# Altium PCB VAMoS Rev C.PcbDoc (part 2 of 2) (continued)
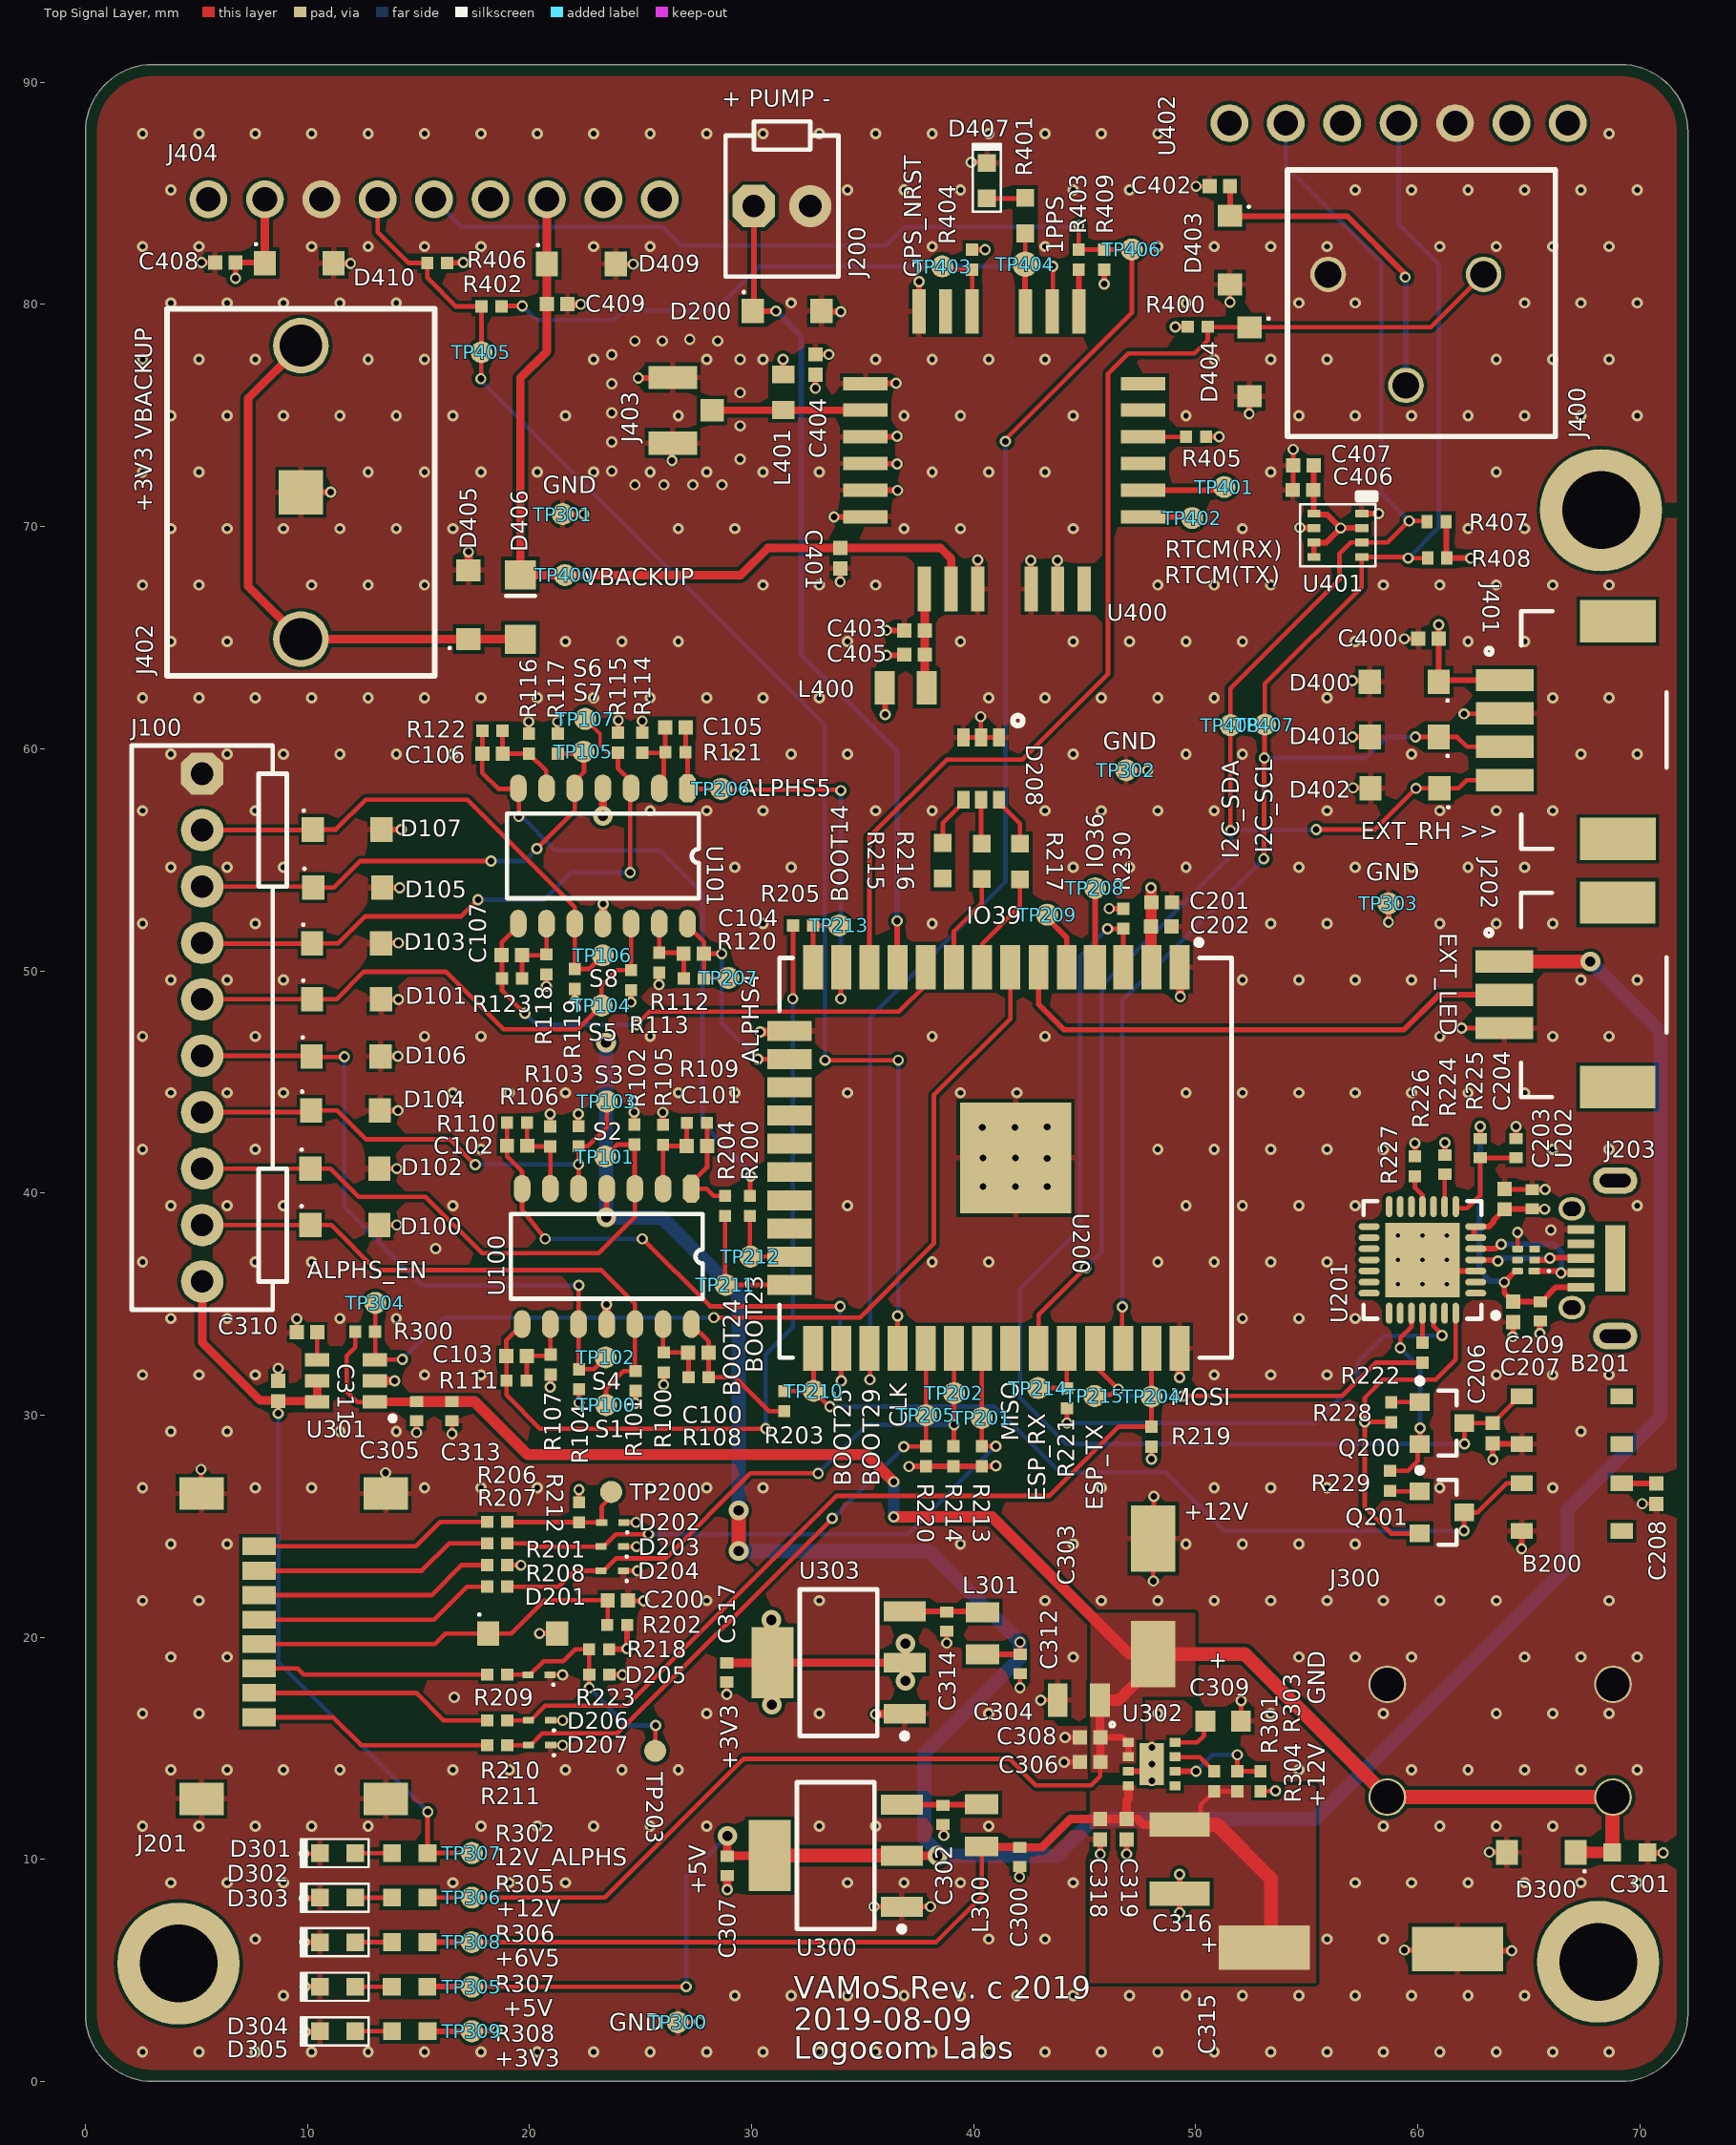
[diagram p0: Top Signal Layer view]
## Nets (pads, with @x,y where several pads share a name; then routed paths per layer and width w, separated by ;. In a path a pad name is that pad's centre, name@x,y a point inside that pad or via, vN(x,y) a via of type N, cw(c..) or ccw(c..) an arc to the next point about the centre after c; other vN are vias at no path point) (continued)
  other v2: 16.613,17.297 22.225,30.556 15.775,37.49 65.991,38.331 24.742,71.882 26.051,71.882 27.359,71.882 28.667,71.882 23.701,72.495 29.476,73.032 23.701,73.807 29.476,74.532 23.701,75.12 29.476,76.032 23.701,76.432 29.476,77.532 23.701,77.745 24.742,78.357 25.984,78.357 28.467,78.357 27.214,78.424
  other v4: 59.105,35.888 60.205,35.888 61.305,35.888 59.105,36.988 61.305,36.988 59.105,38.088 60.205,38.088 61.305,38.088
  other v5: 43.307,41.554 40.411,41.58 41.885,41.58 40.386,42.951 41.859,42.951 43.307,42.977
  other v6: 40.411,40.284 41.885,40.284 43.307,40.284
GPS_1PPS: R401.2 TP404.1 U400.21 | length 2.7
  Top Signal Layer w0.203: TP404.1@42.316,81.813 42.316,82.791
  Top Signal Layer w0.254: TP404.1@42.316,81.417 42.316,79.705 U400.21@42.331,79.69
GPS_NRST: R404.1 TP403.1 U400.22 | length 3.3
  Top Signal Layer w0.203: TP403.1@38.583,81.712 38.728,81.567 R404.1@39.929,81.567 39.931,81.565 U400.22@39.931,79.69
GPS_RX: J404.6 R402.1 R406.1 TP405.1 U200.28 | length 64.6
  Top Signal Layer w0.203: J404.6@13.161,84.732 13.161,83.258 14.554,81.864 R406.1@15.392,81.864 15.392,81.204 16.688,79.908 R402.1@17.831,79.908 TP405.1@17.831,77.978 ; v2(17.805,76.657) 17.818,76.67 17.818,77.838 TP405.1@17.831,77.851 ; v2(33.299,45.974) v2(36.601,45.974) ; U200.28@36.57,33.005 36.551,33.024 36.576,33.049 v2(36.576,34.468)
  Bottom Signal Layer w0.203: v2@17.805,76.784 v2(17.805,76.657) 17.805,76.581 31.496,62.89 33.299,61.087 v2(33.299,45.974) ; v2(36.576,34.468) 36.601,34.493 v2(36.601,45.974)
GPS_TX: J404.5 R403.1 R409.1 TP406.1 U200.27 | length 90.9
  Top Signal Layer w0.203: U200.27@35.3,33.005 35.331,32.973 v2(35.331,31.598) ; v2(41.427,73.838) 41.427,73.934 47.117,79.624 TP406.1@47.117,82.474 47.11,82.467 R409.1@45.872,82.467 R403.1@44.729,82.467 v2(44.729,83.541)
  Bottom Signal Layer w0.203: J404.5@15.701,84.732 16.943,83.49 25.984,83.49 26.822,82.652 36.043,82.652 36.881,83.49 44.679,83.49 v2(44.729,83.541) ; v2(35.331,31.598) 35.331,47.904 41.427,54 v2(41.427,73.838)
I2C_SCL: D401.1 J401.3 R408.1 TP407.1 U200.36 U401.4 U402.4 | length 75.4
  Top Signal Layer w0.203: v2(46.685,34.874) 46.685,33.151 46.634,33.1 U200.36@46.73,33.005 ; v2(53.061,55.042) 53.073,55.054 53.073,59.576 v2(53.086,59.588) 53.099,59.601 53.099,61.074 TP407.1@53.111,61.087 53.111,62.916 57.469,67.273 U401.4@57.469,68.634 59.509,68.634 v2(59.563,68.58) R408.1@60.441,68.581 ; v2(59.893,60.528) D401.1@60.943,60.528 61.773,60.528 62.213,60.088 J401.3@63.905,60.088
  Bottom Signal Layer w0.203: v2(46.685,34.874) 46.685,48.666 v2(53.061,55.042) ; v2(53.086,59.588) 57.658,59.588 58.598,60.528 v2(59.893,60.528) ; U402.4@59.131,88.163 59.131,83.642 60.937,81.836 60.937,69.954 v2(59.563,68.58)
I2C_SDA: D402.1 J401.4 R407.1 TP408.1 U200.33 U401.3 U402.6 | length 79.5
  Top Signal Layer w0.203: U200.33@42.92,33.005 42.92,34.512 v2(45.034,36.627) ; v2(51.562,56.312) TP408.1@51.562,61.062 51.562,62.713 56.472,67.623 56.472,68.791 56.965,69.284 U401.3@57.469,69.284 58.63,69.284 v2(59.601,70.255) R407.1@60.39,70.255 ; v2(55.423,56.363) 58.064,56.363 v2(59.919,58.217) D402.1@60.969,58.217 61.824,58.217 62.195,58.588 J401.4@63.905,58.588
  Bottom Signal Layer w0.203: v2(45.034,36.627) 45.771,37.363 45.771,49.352 51.587,55.169 v2@51.587,56.337 ; v2(51.562,56.312) v2@51.587,56.337 ; v2@51.562,56.337 v2@51.587,56.337 ; U402.6@54.051,88.163 54.051,86.208 58.344,81.915 58.344,71.512 v2(59.601,70.255) ; v2(55.423,56.363) 55.397,56.337 v2@51.587,56.337
LED_EXT: J202.2 U200.6 | length 23.8
  Top Signal Layer w0.254: U200.6@42.92,50.155 42.92,48.495 44.069,47.346 59.367,47.346 60.942,48.92 J202.2@63.896,48.92
LED_G: R217.1 U200.8 | length 4.7
  Top Signal Layer w0.203: U200.8@40.38,50.155 40.38,51.225 42.088,52.934 R217.1@42.088,54.12
LED_R: R216.1 U200.9 | length 4.5
  Top Signal Layer w0.203: U200.9@39.11,50.155 39.11,51.784 40.361,53.035 R216.1@40.361,54.132
NetB200_2: B200.2 C208.1 | length 1.6
  Top Signal Layer w0.254: B200.2@69.179,26.932 69.182,26.93 70.736,26.93 C208.1@70.739,26.927
NetC100_1: C100.1 R100.2 R108.1 U100.13 | length 3.5
  Top Signal Layer w0.203: U100.13@26.014,34.095 26.014,32.844 R100.2@26.039,32.819 R100.2@26.134,32.819 ; R100.2@26.129,32.824 R100.2@26.134,32.819 ; R100.2@26.155,32.798 R100.2@26.134,32.819 ; R108.1@27.164,31.708 27.164,32.778 C100.1@27.136,32.807 27.124,32.819 R100.2@26.134,32.819
NetC101_1: C101.1 R105.2 R109.1 U100.2 | length 4
  Top Signal Layer w0.203: R105.2@26.01,42.171 26.014,42.167 U100.2@26.014,40.191 ; R105.2@26.068,42.113 C101.1@27.074,42.113 27.074,43.145 R109.1@27.084,43.155
NetC102_1: C102.1 R106.2 R110.1 U100.6 | length 4.2
  Top Signal Layer w0.203: R110.1@19.885,43.164 19.885,42.141 C102.1@19.902,42.124 19.934,42.092 21.106,42.092 20.934,41.92 U100.6@20.934,40.191
NetC103_1: C103.1 R107.2 R111.1 U100.9 | length 3.6
  Top Signal Layer w0.203: R111.1@19.863,31.557 19.873,31.567 C103.1@19.873,32.669 R107.2@20.871,32.669 ; R107.2@20.946,32.724 20.934,32.736 U100.9@20.934,34.095 U100.9@21.037,33.991
NetC104_1: C104.1 R112.2 R120.1 U101.13 | length 3.5
  Top Signal Layer w0.203: U101.13@25.842,52.123 R112.2@25.842,50.82 26.89,50.82 C104.1@26.934,50.777 26.944,50.767 R120.1@26.944,49.661
NetC105_1: C105.1 R114.2 R121.1 U101.2 | length 3.6
  Top Signal Layer w0.203: R114.2@25.08,59.813 26.036,59.813 26.108,59.886 C105.1@26.108,60.96 ; U101.2@26.045,58.143 R121.1@26.045,59.636
NetC106_1: C106.1 R116.2 R122.1 U101.6 | length 4.1
  Top Signal Layer w0.203: R122.1@18.781,60.81 18.781,59.79 C106.1@18.791,59.78 18.795,59.775 R116.2@19.974,59.775 20.744,59.006 20.744,58.237 U101.6@20.762,58.219
NetC107_1: C107.1 R118.2 R123.1 U101.9 | length 3.5
  Top Signal Layer w0.203: R123.1@19.662,49.659 19.662,50.703 C107.1@19.664,50.705 20.722,50.705 R118.2@20.762,50.744 U101.9@20.762,52.123
NetC200_1: C200.1 D201.1 J201.4 R202.2 | length 17.6
  Top Signal Layer w0.203: J201.4@7.823,19.693 15.73,19.693 16.205,20.168 D201.1@18.135,20.168 19.185,20.168 20.684,21.666 C200.1@23.518,21.666 23.518,20.571 R202.2@23.495,20.549
NetC302_2: C302.2 L300.2 U300.3 | length 3.5
  Top Signal Layer w0.203: L300.2@40.325,12.446 L300.2@40.361,12.482 L300.2@40.392,12.513
  Top Signal Layer w0.254: U300.3@36.761,12.469 C302.2@38.612,12.469 ; C302.2@38.612,12.455 L300.2@40.202,12.455
NetC309_2: C309.2 U302.8 | length 2.1
  Top Signal Layer w0.203: U302.8@49.065,15.265 50.063,15.265 50.368,15.57 50.368,16.167 C309.2@50.432,16.231 C309.2@50.432,16.256
NetC310_1: C310.1 U301.4 | length 1.2
  Top Signal Layer w0.203: U301.4@10.435,32.497 10.435,33.727 C310.1@10.439,33.731
NetC314_2: C314.2 L301.2 U303.3 | length 3.5
  Top Signal Layer w0.203: L301.2@40.361,21.156 L301.2@40.39,21.127 L301.2@40.392,21.129
  Top Signal Layer w0.254: U303.3@36.888,21.156 L301.2@40.361,21.156
NetC403_2: C403.2 C405.2 L400.2 U400.7 | length 4.5
  Top Signal Layer w0.381: U400.7@37.781,67.234 37.789,67.226 37.789,65.337 C403.2@37.798,65.329 C405.2@37.798,64.237 37.79,64.228 37.79,62.746 L400.2@37.782,62.738
NetD202_2: D202.2 R206.1 R212.1 TP200.1 | length 5.8
  Top Signal Layer w0.203: R206.1@18.992,25.197 19.005,25.184 22.212,25.184 R212.1@22.225,25.171 D202.2@23.249,25.171 23.249,25.906 23.673,26.33 TP200.1@23.673,26.543
NetD205_2: D205.2 R209.1 R218.1 R223.1 TP203.1 | length 10.8
  Top Signal Layer w0.203: R209.1@18.992,18.313 D205.2@19.922,18.313 20.022,18.313 20.631,18.923 21.514,18.923 22.047,19.456 R218.1@22.682,19.456 22.682,18.339 R223.1@22.657,18.313 ; v2(22.682,17.729) 22.682,18.306 R223.1@22.689,18.313 ; TP203.1@25.654,14.884 25.667,14.897 25.667,16.015 v2(25.679,16.027)
  Bottom Signal Layer w0.203: v2(22.682,17.729) 24.384,16.027 v2(25.679,16.027)
NetD208_4: D208.4 R215.2 | length 2.3
  Top Signal Layer w0.203: R215.2@38.608,55.758 38.608,56.654 D208.4@39.535,57.581
  Top Signal Layer w0.254: D208.4@39.535,57.581 D208.4@39.535,57.706
NetD208_5: D208.5 R216.2 | length 2
  Top Signal Layer w0.203: R216.2@40.335,55.758 D208.5@40.335,57.706
  Top Signal Layer w0.254: R216.2@40.335,55.758 R216.2@40.361,55.732
NetD208_6: D208.6 R217.2 | length 2.4
  Top Signal Layer w0.203: D208.6@41.135,57.581 42.088,56.628 R217.2@42.088,55.72
  Top Signal Layer w0.254: D208.6@41.135,57.581 D208.6@41.135,57.706
NetD301_1: D301.1 R302.1 | length 1.7
  Top Signal Layer w0.203: D301.1@12.154,10.281 R302.1@13.805,10.281
NetD302_1: D302.1 R305.1 | length 1.7
  Top Signal Layer w0.203: D302.1@12.154,8.276 13.8,8.276 R305.1@13.805,8.28
NetD303_1: D303.1 R306.1 | length 1.7
  Top Signal Layer w0.203: D303.1@12.154,6.271 13.802,6.271 R306.1@13.805,6.274 ; D303.1@12.154,6.477 D303.1@12.179,6.452
NetD304_1: D304.1 R307.1 | length 1.6
  Top Signal Layer w0.203: D304.1@12.154,4.266 R307.1@13.792,4.267 R307.1@13.792,4.267
NetD305_1: D305.1 R308.1 | length 1.7
  Top Signal Layer w0.203: D305.1@12.154,2.261 R308.1@13.805,2.261 ; R308.1@13.908,2.261 R308.1@13.932,2.261
NetD405_1: D405.1 D406.1 J402.1 | length 25.6
  Top Signal Layer w0.203: J402.1@9.165,78.147 J402.1@9.701,78.147
  Top Signal Layer w0.381: J402.1@9.701,78.147 7.319,75.766 7.319,67.319 J402.1@9.701,64.937 9.704,64.934 17.247,64.934 D405.1@17.251,64.931 19.586,64.931 D406.1@19.587,64.929
NetD407_1: D407.1 R401.1 | length 1.3
  Top Signal Layer w0.203: D407.1@40.596,84.765 R401.1@41.935,84.765
  Top Signal Layer w0.254: D407.1@40.589,84.773 D407.1@40.596,84.765
NetJ201_1: J201.1 R211.2 | length 10.6
  Top Signal Layer w0.203: J201.1@7.823,16.393 11.166,16.393 12.421,15.138 R211.2@17.921,15.138
NetJ201_2: J201.2 R210.2 | length 10.6
  Top Signal Layer w0.203: J201.2@7.823,17.493 14.892,17.493 16.129,16.256 R210.2@17.921,16.256
NetJ201_3: J201.3 R209.2 | length 10.2
  Top Signal Layer w0.203: J201.3@7.823,18.593 9.55,18.593 9.83,18.313 R209.2@17.932,18.313
NetJ201_5: J201.5 R208.2 | length 10.9
  Top Signal Layer w0.203: J201.5@7.823,20.793 15.687,20.793 17.17,22.276 R208.2@18.092,22.276
NetJ201_6: J201.6 R201.1 | length 10.8
  Top Signal Layer w0.203: J201.6@7.823,21.893 15.594,21.893 16.95,23.249 R201.1@18.092,23.249
NetJ201_7: J201.7 R207.2 | length 10.8
  Top Signal Layer w0.203: J201.7@7.823,22.993 15.144,22.993 16.375,24.223 R207.2@18.092,24.223
NetJ201_8: J201.8 R206.2 | length 10.7
  Top Signal Layer w0.203: J201.8@7.823,24.093 14.873,24.093 15.977,25.197 R206.2@18.092,25.197
NetJ403_SIG: J403.SIG L401.1 U400.2 | length 6.7
  Top Signal Layer w0.203: L401.1@31.026,75.241 L401.1@31.051,75.265
  Top Signal Layer w0.335: J403.SIG@28.227,75.241 L401.1@31.026,75.241 ; L401.1@31.42,75.24 U400.2@35.131,75.24
  Top Signal Layer w0.471: J403.SIG@28.22,75.235 J403.SIG@28.227,75.241 ; J403.SIG@28.232,75.168 J403.SIG@28.304,75.24 ; L401.1@31.413,75.241 L401.1@31.42,75.248
NetQ200_1: Q200.1 R228.1 | length 1.3
  Top Signal Layer w0.203: R228.1@58.801,30.574 58.818,30.592 Q200.1@60.087,30.592
NetQ201_1: Q201.1 R229.1 | length 1.3
  Top Signal Layer w0.203: R229.1@58.75,26.594 58.773,26.571 Q201.1@60.087,26.571
NetR224_2: R224.2 R225.2 U201.8 | length 4.6
  Top Signal Layer w0.203: U201.8@61.705,39.313 62.218,39.313 62.81,39.905 R224.2@62.81,41.582 R225.2@64.414,41.582
NetR226_2: R226.2 U201.9 | length 1.5
  Top Signal Layer w0.203: U201.9@61.205,39.313 61.207,39.315 61.207,40.843 R226.2@61.21,40.845
NetR227_1: R227.1 U201.11 | length 1.6
  Top Signal Layer w0.203: R227.1@59.868,40.749 59.868,40.241 60.205,39.903 U201.11@60.205,39.313
NetR301_1: R301.1 U302.7 | length 2
  Top Signal Layer w0.203: U302.7@49.065,14.615 U302.7@49.069,14.611 ; U302.7@49.075,14.605 50.183,14.605 R301.1@50.825,13.963
  Top Signal Layer w0.254: U302.7@49.069,14.611 U302.7@49.075,14.605
NetR303_1: R303.1 R304.2 U302.6 | length 4.9
  Top Signal Layer w0.203: v2(51.867,14.707) R303.1@51.867,13.963 51.87,13.966 52.905,13.966 R304.2@52.908,13.97
  Top Signal Layer w0.254: U302.6@49.051,13.97 v2(50.013,13.97)
  Bottom Signal Layer w0.203: v2(50.013,13.97) 50.749,14.707 v2(51.867,14.707)
NetR402_2: R402.2 U400.20 | length 28.1
  Top Signal Layer w0.203: R402.2@18.731,79.908 18.756,79.934 v2(19.671,79.934) ; U400.20@43.531,79.69 43.561,79.721 v2(43.561,81.712)
  Bottom Signal Layer w0.203: v2(19.671,79.934) 20.31,79.294 23.805,79.294 24.241,79.731 28.346,79.731 30.328,81.712 v2(43.561,81.712)
NetR403_2: R403.2 U400.19 | length 1.9
  Top Signal Layer w0.254: R403.2@44.729,81.567 44.729,79.692 U400.19@44.731,79.69
NetR405_2: R405.2 U400.16 | length 1.9
  Top Signal Layer w0.203: U400.16@47.631,74.04 R405.2@49.563,74.041
NetTP208_1: TP208.1 U200.4 | length 3.6
  Top Signal Layer w0.254: TP208.1@45.237,53.619 45.46,53.397 U200.4@45.46,50.155
NetTP209_1: TP209.1 U200.5 | length 2.5
  Top Signal Layer w0.254: TP209.1@43.358,52.324 44.19,51.492 U200.5@44.19,50.155
PWM_PUMP: D200.1 J200.1 U200.11 | length 37.6
  Top Signal Layer w0.254: J200.1@30.099,84.43 30.099,79.756 D200.1@30.048,79.705 v2(31.098,79.705) ; v2(36.551,52.248) 36.551,50.174 U200.11@36.57,50.155
  Bottom Signal Layer w0.254: v2(31.098,79.705) 32.233,78.571 32.233,64.211 36.551,59.893 v2(36.551,52.248)
RESET: B201.1 C206.1 Q200.3 R230.2 U200.3 | length 50.2
  Top Signal Layer w0.203: v2(46.025,51.892) 46.558,51.892 46.584,51.867 46.685,51.968 46.736,51.918 R230.2@46.736,51.899 46.736,50.161 U200.3@46.73,50.155 ; v2(62.103,28.702) 62.103,29.626 62.128,29.642 C206.1@63.373,29.642 64.255,30.524 64.255,30.57 64.529,30.844 B201.1@64.679,30.844
  Bottom Signal Layer w0.203: v2(46.025,51.892) 44.78,50.648 44.78,38.379 42.088,35.687 42.088,30.785 44.171,28.702 v2(62.103,28.702)
RI: U201.2
RTCM(RX): TP401.1 U400.14 | length 3.8
  Top Signal Layer w0.254: U400.14@47.639,71.632 U400.14@47.631,71.64 47.637,71.647 TP401.1@51.073,71.647 ; TP401.1@51.283,71.78 51.289,71.787 TP401.1@51.619,71.787
RTCM(TX): TP402.1 U400.13 | length 1.9
  Top Signal Layer w0.254: U400.13@47.631,70.44 47.635,70.436 49.551,70.436 TP402.1@49.555,70.432
RTS: Q200.2 R229.2 U201.24 | length 8.8
  Top Signal Layer w0.203: R229.2@58.75,27.494 59.549,27.494 59.995,27.94 59.995,28.6 Q200.2@60.087,28.692 60.096,28.701 v2(60.096,29.413) ; v2(59.207,33.02) 59.207,33.477 59.715,33.985 59.715,34.653 U201.24@59.705,34.663
  Bottom Signal Layer w0.203: v2(59.207,33.02) 60.096,32.131 v2(60.096,29.413)
SD_CS/BOOT29: D207.2 R211.1 R220.1 TP205.1 U200.29 | length 28.8
  Top Signal Layer w0.203: R211.1@18.992,15.138 D207.2@19.947,15.138 20.047,15.138 20.58,15.672 23.952,15.672 v2(33.63,25.349) ; v2(36.855,28.575) 36.874,28.593 R220.1@37.846,28.593 TP205.1@37.846,29.997 37.846,32.998 U200.29@37.84,33.005
  Bottom Signal Layer w0.203: v2(33.63,25.349) v2(36.855,28.575)
SD_MISO: D203.2 R207.1 R213.1 TP201.1 U200.31 | length 29
  Top Signal Layer w0.203: R207.1@18.992,24.223 19,24.232 19.863,24.232 20.015,24.079 D203.2@23.224,24.079 23.324,24.079 23.882,24.638 v2(25.349,24.638) ; U200.31@40.38,33.005 40.361,32.986 TP201.1@40.361,29.87 R213.1@40.361,28.593 40.364,28.597 40.992,28.597 v2(40.996,28.6)
  Bottom Signal Layer w0.203: v2(25.349,24.638) 37.033,24.638 v2(40.996,28.6)
SD_MOSI: D206.2 R210.1 R219.1 TP204.1 U200.37 | length 38
  Top Signal Layer w0.203: R210.1@18.992,16.256 D206.2@19.947,16.256 20.047,16.256 20.707,16.916 24.384,16.916 33.833,26.365 43.409,26.365 46.526,29.482 R219.1@48.006,29.482 TP204.1@48.006,30.836 48.006,32.998 U200.37@48,33.005
SD_SCLK: D204.2 R208.1 R214.1 TP202.1 U200.30 | length 27.6
  Top Signal Layer w0.203: R208.1@18.992,22.276 21.311,22.276 22.022,22.987 D204.2@23.224,22.987 23.324,22.987 23.882,23.546 26.111,23.546 29.947,27.381 v2(32.995,27.381) ; R214.1@39.091,28.593 39.103,28.606 39.103,29.566 39.103,30.975 TP202.1@39.116,30.988 39.116,32.998 U200.30@39.11,33.005
  Bottom Signal Layer w0.203: v2(32.995,27.381) 35.179,29.566 v2(39.116,29.566)
SENSOR_IN_1: D100.1 J100.9 R101.2 TP100.1 U100.12 | length 27
  Top Signal Layer w0.203: J100.9@5.18,38.53 J100.9@5.805,38.53 ; J100.9@5.258,38.557 D100.1@10.134,38.557 11.074,38.557 13.106,36.525 23.241,36.525 24.744,35.023 U100.12@24.744,34.095 24.744,32.013 R101.2@24.769,31.988 24.236,31.988 23.444,31.196 TP100.1@23.444,30.455
SENSOR_IN_2: D102.1 J100.8 R102.2 TP101.1 U100.3 | length 26.6
  Top Signal Layer w0.203: J100.8@5.258,41.097 D102.1@10.134,41.097 11.024,41.097 12.294,39.827 15.316,39.827 17.856,37.287 23.114,37.287 24.744,38.917 U100.3@24.744,40.191 24.731,40.204 R102.2@24.731,42.179 ; TP101.1@23.397,41.64 23.937,42.179 R102.2@24.719,42.179
SENSOR_IN_3: D104.1 J100.7 R103.2 TP103.1 U100.5 | length 22.7
  Top Signal Layer w0.203: J100.7@5.258,43.637 10.083,43.637 D104.1@10.159,43.713 11.328,43.713 12.624,42.418 16.408,42.418 v2(17.551,41.275) ; U100.5@22.204,40.191 v2(22.205,41.288) ; v2(22.205,41.288) 22.205,42.103 R103.2@22.204,42.104 22.622,42.104 23.47,42.951 TP103.1@23.47,44.12
  Bottom Signal Layer w0.203: v2@17.551,41.288 v2(22.205,41.288)
SENSOR_IN_4: D106.1 J100.6 R104.2 TP102.1 U100.10 | length 30.5
  Top Signal Layer w0.203: J100.6@5.258,46.177 10.159,46.177 D106.1@10.185,46.152 10.21,46.126 v2(11.659,46.126) ; v2(22.217,35.838) 22.201,35.838 22.13,35.767 22.204,35.693 U100.10@22.204,34.095 22.204,32.089 R104.2@22.229,32.064 22.889,32.064 TP102.1@23.423,32.597
  Bottom Signal Layer w0.203: v2(11.659,46.126) 11.659,39.345 15.165,35.838 v2(22.217,35.838)
SENSOR_IN_5: D101.1 J100.5 R113.2 TP104.1 U101.12 | length 24.6
  Top Signal Layer w0.203: J100.5@5.248,48.727 J100.5@5.258,48.717 D101.1@10.21,48.717 11.303,48.717 12.548,49.962 16.236,49.962 18.827,47.371 22.174,47.371 TP104.1@23.241,48.438 23.241,49.352 23.922,50.033 R113.2@24.572,50.033 U101.12@24.572,52.123
SENSOR_IN_6: D103.1 J100.4 R115.2 TP107.1 U101.3 | length 28.4
  Top Signal Layer w0.152: TP107.1@22.504,61.341 23.165,60.681 23.165,60.147 23.488,59.824 R115.2@23.978,59.824
  Top Signal Layer w0.203: J100.4@5.253,51.252 J100.4@5.258,51.257 5.285,51.23 D103.1@10.058,51.23 ; D103.1@10.21,51.232 11.379,51.232 12.598,52.451 16.925,52.451 v2(17.675,53.201) ; R115.2@23.978,59.645 23.978,59.131 24.572,58.537 U101.3@24.572,58.219 24.529,58.176 v2(24.529,54.43)
  Bottom Signal Layer w0.203: v2(17.675,53.201) 20.646,53.201 21.875,54.43 v2(24.529,54.43)
SENSOR_IN_7: D105.1 J100.3 R117.2 TP105.1 U101.5 | length 22.8
  Top Signal Layer w0.203: J100.3@5.258,53.797 10.21,53.797 D105.1@10.261,53.746 11.176,53.746 12.37,54.94 v2(18.263,54.94) ; v2(20.324,55.495) 22.032,57.203 U101.5@22.032,58.219 22.032,58.532 22.454,58.953 22.454,59.868 22.428,59.893 22.31,59.775 R117.2@21.27,59.775
  Bottom Signal Layer w0.203: J100.3@5.258,53.797 J100.3@5.703,53.797 ; v2(18.263,54.94) 19.769,54.94 v2(20.324,55.495)
SENSOR_IN_8: D107.1 J100.2 R119.2 TP106.1 U101.10 | length 23.6
  Top Signal Layer w0.203: J100.2@5.258,56.337 10.21,56.337 D107.1@10.236,56.363 11.278,56.363 12.624,57.709 17.196,57.709 22.032,52.873 U101.10@22.032,52.123 R119.2@22.032,50.084 22.677,50.084 TP106.1@23.292,50.698
USB_N: J203.2 U201.5 U202.1 | length 7.3
  Top Signal Layer w0.254: U201.5@62.53,37.488 63.479,37.488 63.685,37.694 v2(63.754,37.694) ; U202.1@65.242,36.482 66.362,36.482 v2@66.436,36.409 ; v2@66.362,36.409 v2@66.436,36.409 ; v2(66.446,36.398) v2@66.436,36.409 ; J203.2@67.335,36.409 v2@66.436,36.409
  Bottom Signal Layer w0.254: v2(63.754,37.694) 66.116,37.694 66.472,37.338 66.472,36.424 v2(66.446,36.398)
USB_P: J203.3 U201.4 U202.2 | length 5.6
  Top Signal Layer w0.254: U201.4@62.53,36.988 63.477,36.988 63.533,36.932 v2(63.602,36.932) ; U202.2@65.257,36.982 65.938,36.982 66.04,37.084 67.309,37.084 J203.3@67.335,37.059
  Bottom Signal Layer w0.254: v2(63.602,36.932) 63.67,36.932 63.797,37.059 v2(65.938,37.059)
V_USB: C207.2 C209.1 J203.1 R224.1 U202.6 | length 13.5
  Top Signal Layer w0.254: R224.1@62.81,42.442 62.812,42.444 v2(62.814,43.002) v2(62.814,43.002) ; U202.6@64.487,36.482 64.392,36.482 v2(63.893,35.984) 63.893,35.5 C209.1@64.287,35.106 65.566,35.105 66.219,35.759 J203.1@67.335,35.759
  Bottom Signal Layer w0.254: v2@62.814,42.937 62.814,39.386 62.763,39.336 62.763,36.525 63.258,36.031 63.846,36.031 v2(63.893,35.984)
VBACKUP: C401.2 C409.2 D406.2 D409.1 J404.3 TP400.1 U400.8 | length 39.3
  Top Signal Layer w0.203: D406.2@19.662,67.93 D406.2@19.662,68.03
  Top Signal Layer w0.254: D406.2@19.362,67.829 D406.2@19.563,68.03
  Top Signal Layer w0.381: J404.3@20.781,84.732 D409.1@20.781,81.822 C409.2@20.781,80.019 20.781,77.885 19.587,76.692 D406.2@19.587,67.829 19.599,67.818 TP400.1@21.59,67.818 29.515,67.818 30.734,69.037 C401.2@33.985,69.037 38.506,69.037 38.989,68.555 38.989,67.199 U400.8@38.981,67.19 U400.8@38.968,67.177
pads on no net: B200.4 B201.2 B201.4 J202. J203.0 J203.4 J203.9 J401. J404.1 J404.2 J404.4 J404.9 R215.1 U200.17 U200.18 U200.19 U200.20 U200.21 U200.22 U200.32 U201.10 U201.12 U201.13 U201.14 U201.15 U201.16 U201.17 U201.18 U201.19 U201.20 U201.21 U201.22 U202.3 U202.5 U302.5 U400.12 U400.15 U400.17 U400.18 U400.23 U402.2 U402.5 U402.7

## Polygon pours and split planes (outlines as drawn)
GND on Top Signal Layer "GND_L01_P036" (solid, remove dead copper, pour order 36): 0.254,90.551 71.882,90.551 71.882,0.254 0.254,0.254
+6V5 on Top Signal Layer "+6V5_L01_P026" (solid, remove dead copper, pour order 26): 45.222,11.347 45.222,4.455 45.212,4.445 55.397,4.445 55.397,13.437 55.296,13.335 45.237,13.335 45.237,11.362
GND on Top Signal Layer "Top Signal Layer-GND" (solid, remove dead copper, pour order 28): 43.961,13.612 43.963,13.614 45.136,13.614 45.136,16.002 43.79,16.002 43.79,13.744 43.94,13.594
+12V on Top Signal Layer "+12V_L01_P018" (solid, remove dead copper, pour order 18): 45.27,13.914 45.27,21.075 45.263,21.082 49.962,21.082 49.962,17.348 49.936,17.323 47.574,17.323 47.574,14.554 46.934,13.914
3V3 on Power Plane "3V3_L02_P030" (solid, remove dead copper, pour order 30): 0.254,90.551 71.882,90.551 71.882,0.254 0.254,0.254
GND on Ground Plane "GND_L03_P037" (solid, remove dead copper, pour order 37): 0.254,90.551 71.882,90.551 71.882,0.254 0.254,0.254
GND on Bottom Signal Layer "GND_L04_P034" (solid, remove dead copper, pour order 34): 0.254,90.551 71.882,90.551 71.882,0.254 0.254,0.254

## Silkscreen, mask and mechanical layers (free items; w line width, h text height)
Top Overlay:
  text "+ PUMP -" at 28.651,88.9 h0.76
  text "1PPS" at 44.044,82.271 h0.76 r90
  text "GPS_NRST" at 37.643,81.204 h0.76 r90
  text "GND" at 20.599,71.501 h0.76
  text "+3V3 VBACKUP" at 2.997,70.637 h0.76 r90
  text "RTCM(RX)" at 48.616,68.605 h0.76
  text "RTCM(TX)" at 48.59,67.437 h0.76
  text "VBACKUP" at 22.403,67.361 h0.76
  text "S6" at 21.946,63.246 h0.76
  text "S7" at 21.971,62.154 h0.76
  text "GND" at 45.822,59.969 h0.76
  text "ALPHS5" at 29.515,57.861 h0.76
  text "EXT_RH >>" at 57.429,55.931 h0.76
  text "I2C_SCL" at 53.442,55.296 h0.76 r90
  text "I2C_SDA" at 51.943,55.042 h0.76 r90
  text "IO36" at 45.847,54.61 h0.76 r90
  text "GND" at 57.658,54.077 h0.76
  text "BOOT14" at 34.341,53.086 h0.76 r90
  text "IO39" at 39.675,52.121 h0.76
  text "EXT_LED" at 60.989,51.715 h0.76 r270
  text "S8" at 22.682,49.276 h0.76
  text "S5" at 22.631,46.863 h0.76
  text "ALPHS4" at 30.328,45.796 h0.76 r90
  text "S3" at 22.911,44.933 h0.76
  text "S2" at 22.86,42.393 h0.76
  text "ALPHS_EN" at 9.982,36.144 h0.76
  text "BOOT23" at 30.505,31.902 h0.76 r90
  text "S4" at 22.809,31.14 h0.76
  text "BOOT24" at 29.489,30.836 h0.76 r90
  text "MOSI" at 48.844,30.429 h0.76
  text "CLK" at 36.982,29.439 h0.76 r90
  text "S1" at 22.936,29.007 h0.76
  text "MISO" at 42.012,28.829 h0.76 r90
  text "BOOT25" at 34.468,26.797 h0.76 r90
  text "BOOT29" at 35.763,26.797 h0.76 r90
  text "ESP_RX" at 43.231,26.111 h0.76 r90
  text "ESP_TX" at 45.822,25.705 h0.76 r90
  text "+12V" at 49.454,25.273 h0.76
  text "+" at 51.332,18.496 h0.76 r90
  text "+3V3" at 29.362,14.021 h0.76 r90
  text "+12V     GND" at 55.804,12.294 h0.76 r90
  text "12V_ALPHS" at 18.39,9.728 h0.76
  text "+5V" at 27.94,8.382 h0.76 r90
  text "+12V" at 18.482,7.425 h0.76
  text "+" at 50.927,5.715 h0.76 r90
  text "+6V5" at 18.418,5.179 h0.76
  text "VAMoS Rev. c 2019" at 31.902,3.734 h1
  text "+5V" at 18.799,2.932 h0.76
  text "2019-08-09" at 31.902,2.311 h1
  text "GND" at 23.571,2.286 h0.76
  text "Logocom Labs" at 31.902,1.016 h1
  text "+3V3" at 18.418,0.686 h0.76
Mechanical 1:
  the board outline again, w0.254